# Altium PCB MAIN_BOARD_V2.PcbDoc (part 1 of 4) (continued)
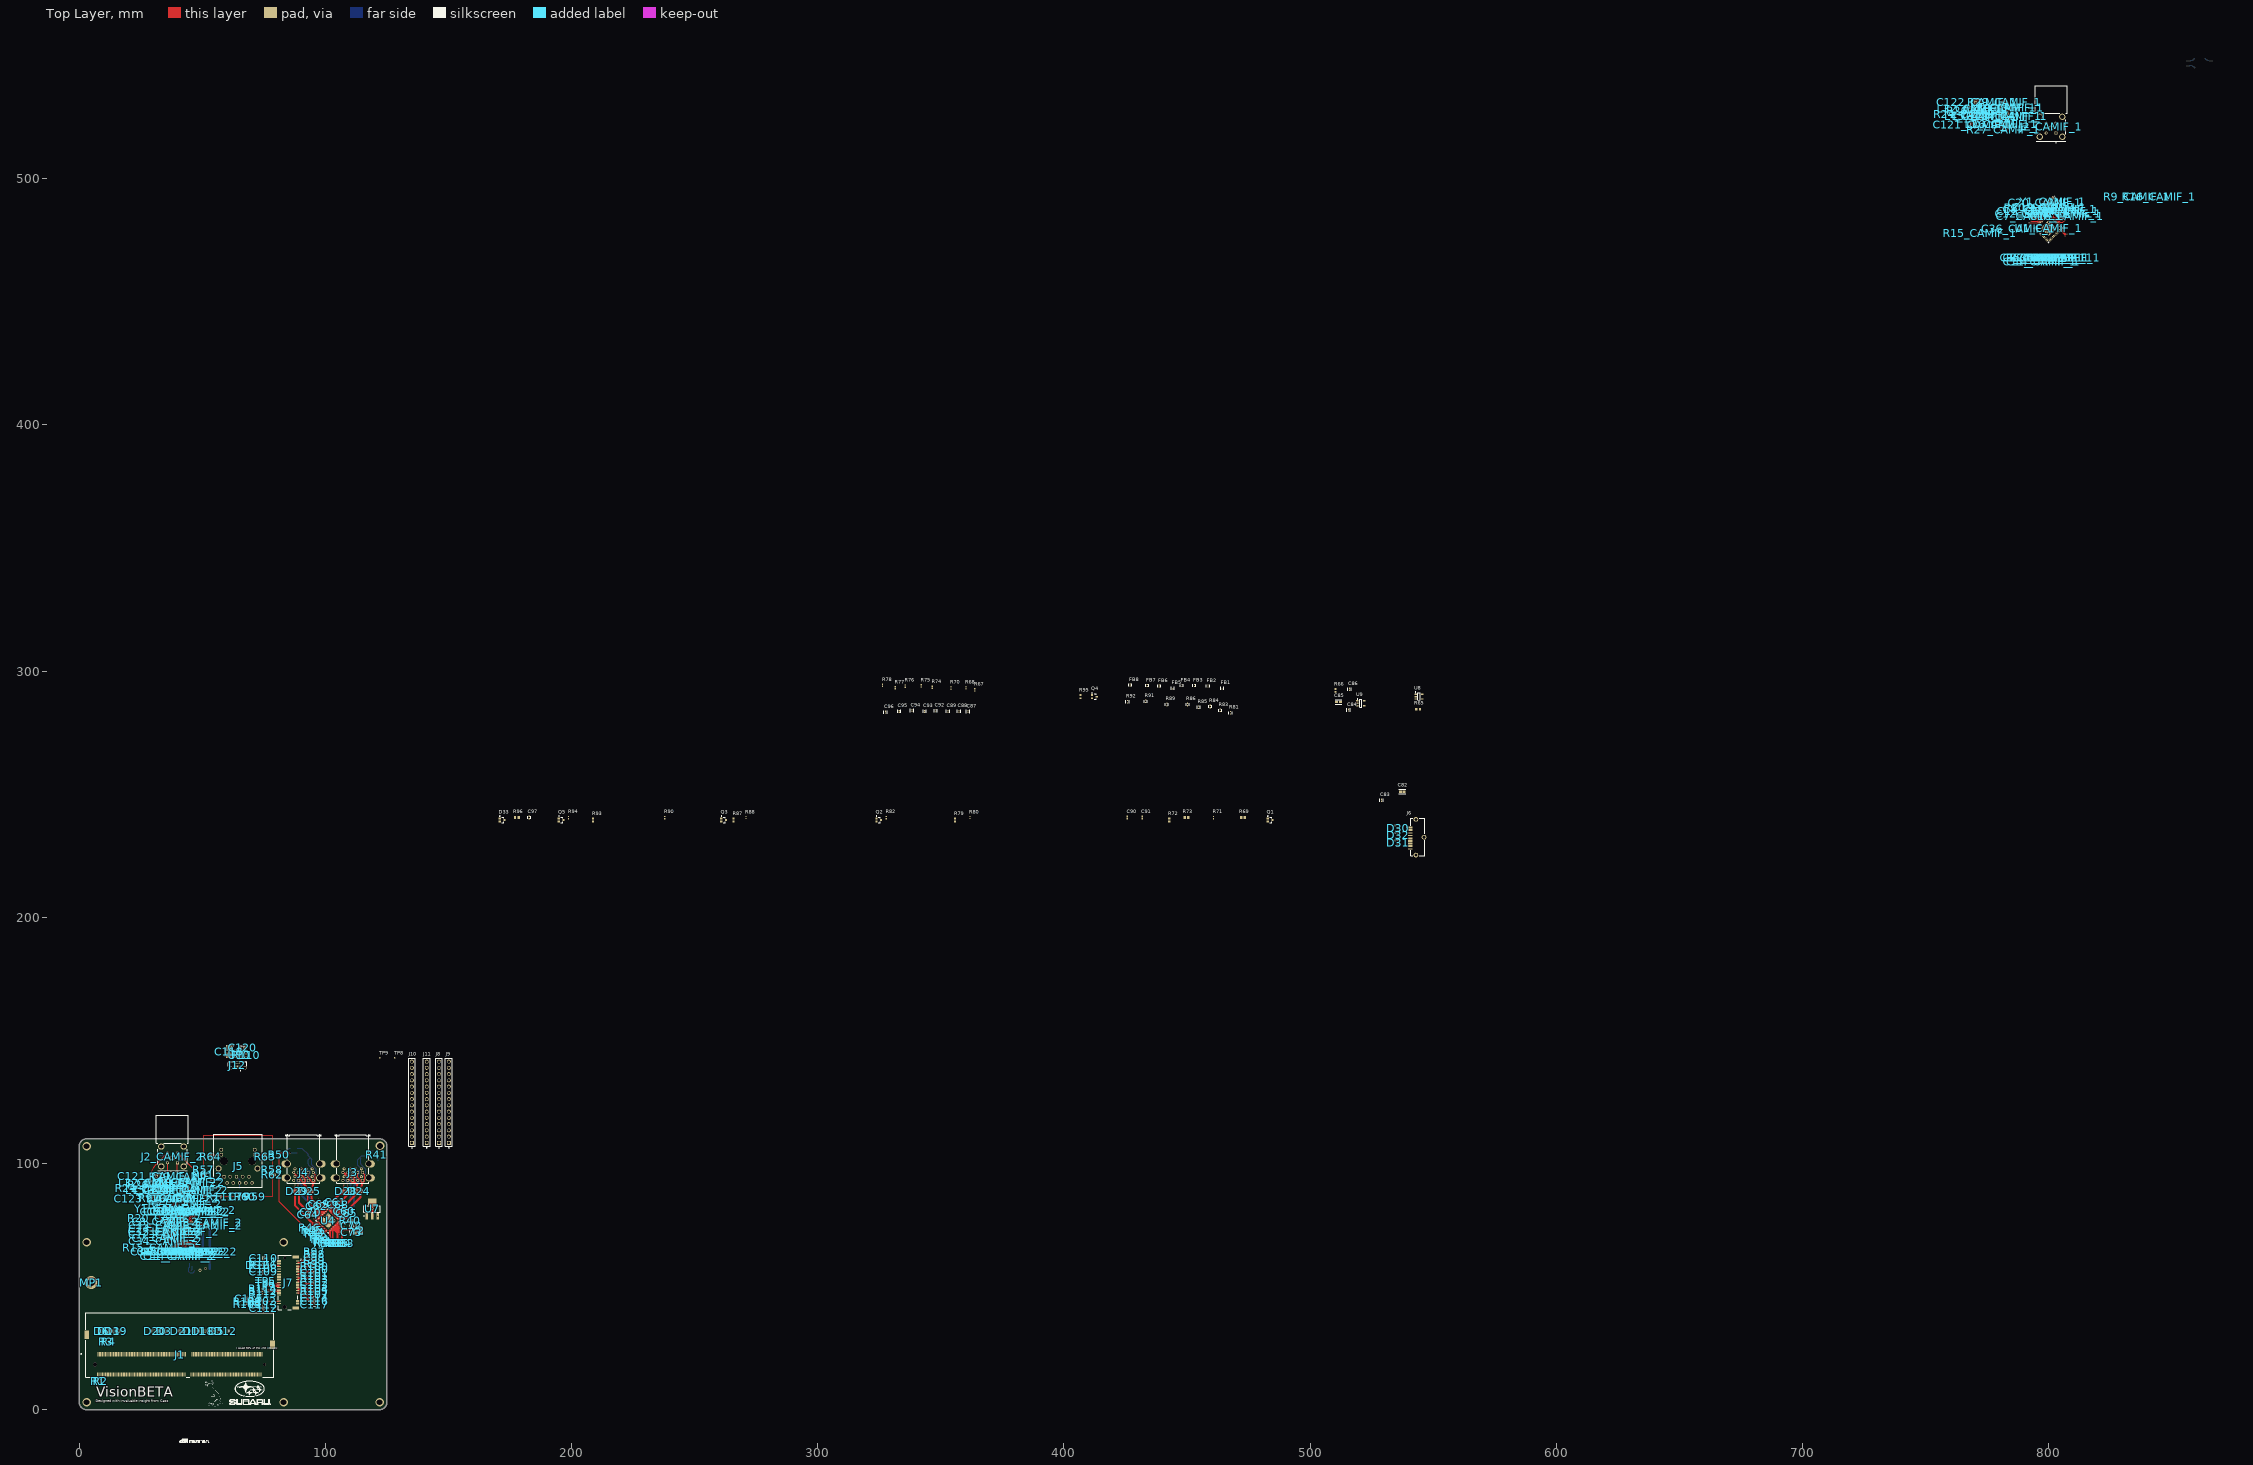
[diagram p0: Top Layer view]
## Components (designator, comment, footprint, x,y, rotation, side; value= is the part's Value field where it differs from the comment) (continued)
C28_CAMIF_1 "C1005X7R1H104K050BB" FP-C1005-050-0_05-IPC_C 807.8,477.8 r225 bottom (schematic designator C28)
C28_CAMIF_2 "C1005X7R1H104K050BB" FP-C1005-050-0_05-IPC_C 51.425,75.95 r180 top (schematic designator C28)
C29_CAMIF_1 "CL05A106MP5NUNC" FP-CL05A106MP5NUNC-MFG 804.875,483.35 r315 bottom value=10uF (schematic designator C29)
C29_CAMIF_2 "CL05A106MP5NUNC" FP-CL05A106MP5NUNC-MFG 43.875,80.5 r90 bottom value=10uF (schematic designator C29)
C30_CAMIF_1 "C0402C103M5RACTU" FP-C0402-BB-MFG 805.75,484.25 r135 bottom value="10,000 pF" (schematic designator C30)
C30_CAMIF_2 "C0402C103M5RACTU" FP-C0402-BB-MFG 43.875,80.5 r270 top value="10,000 pF" (schematic designator C30)
C31_CAMIF_1 "CL05A106MP5NUNC" FP-CL05A106MP5NUNC-MFG 795.275,483.5 r225 bottom value=10uF (schematic designator C31)
C31_CAMIF_2 "CL05A106MP5NUNC" FP-CL05A106MP5NUNC-MFG 34.962,72.275 r180 bottom value=10uF (schematic designator C31)
C32_CAMIF_1 "C0402C103M5RACTU" FP-C0402-BB-MFG 794.375,484.375 r45 bottom value="10,000 pF" (schematic designator C32)
C32_CAMIF_2 "C0402C103M5RACTU" FP-C0402-BB-MFG 35.025,72.275 r0 top value="10,000 pF" (schematic designator C32)
C33_CAMIF_1 "CL05A106MP5NUNC" FP-CL05A106MP5NUNC-MFG 794.025,482.25 r45 bottom value=10uF (schematic designator C33)
C33_CAMIF_2 "CL05A106MP5NUNC" FP-CL05A106MP5NUNC-MFG 34.987,68.325 r180 bottom value=10uF (schematic designator C33)
C34_CAMIF_1 "C0402C103M5RACTU" FP-C0402-BB-MFG 793.1,483.1 r225 bottom value="10,000 pF" (schematic designator C34)
C34_CAMIF_2 "C0402C103M5RACTU" FP-C0402-BB-MFG 35.05,68.325 r0 top value="10,000 pF" (schematic designator C34)
C35_CAMIF_1 "CL05A106MP5NUNC" FP-CL05A106MP5NUNC-MFG 787.8,479.562 r270 bottom value=10uF (schematic designator C35)
C35_CAMIF_2 "CL05A106MP5NUNC" FP-CL05A106MP5NUNC-MFG 35.875,64.012 r270 bottom value=10uF (schematic designator C35)
C36_CAMIF_1 "C0402C103M5RACTU" FP-C0402-BB-MFG 787.8,479.625 r90 top value="10,000 pF" (schematic designator C36)
C36_CAMIF_2 "C0402C103M5RACTU" FP-C0402-BB-MFG 35.875,64.075 r90 top value="10,000 pF" (schematic designator C36)
C37_CAMIF_2 "GRM21BR61E226ME44L" FP-GRM21B-0_2-e0_2_0_7-IPC_B 49.051,55.797 r270 bottom (schematic designator C37)
C38_CAMIF_2 "GRM21BR61E226ME44L" FP-GRM21B-0_2-e0_2_0_7-IPC_B 52.101,57.322 r180 bottom (schematic designator C38)
C39_CAMIF_2 "GRM21BR61E226ME44L" FP-GRM21B-0_2-e0_2_0_7-IPC_B 52.101,62.572 r180 bottom (schematic designator C39)
C40_CAMIF_1 "GRM188R60J106ME47D" FP-GRM188-0_1-e0_2_0_55-IPC_A 826.198,529.599 r180 bottom (schematic designator C40)
C40_CAMIF_2 "GRM188R60J106ME47D" FP-GRM188-0_1-e0_2_0_55-IPC_A 49.265,91.95 r180 bottom (schematic designator C40)
C41_CAMIF_1 "GRM188R60J106ME47D" FP-GRM188-0_1-e0_2_0_55-IPC_A 826.15,547.375 r90 bottom (schematic designator C41)
C41_CAMIF_2 "GRM188R60J106ME47D" FP-GRM188-0_1-e0_2_0_55-IPC_A 49.4,75.95 r90 bottom (schematic designator C41)
C42_CAMIF_1 "C1005X7R1H104K050BB" FP-C1005-050-0_05-IPC_C 829.3,529.324 r270 bottom (schematic designator C42)
C42_CAMIF_2 "C1005X7R1H104K050BB" FP-C1005-050-0_05-IPC_C 52.367,91.675 r270 bottom (schematic designator C42)
C43_CAMIF_1 "C1005X7R1H104K050BB" FP-C1005-050-0_05-IPC_C 829.075,548.7 r0 bottom (schematic designator C43)
C43_CAMIF_2 "C1005X7R1H104K050BB" FP-C1005-050-0_05-IPC_C 52.325,77.275 r0 bottom (schematic designator C43)
C44 "C1005X7R1H104K050BB" FP-C1005-050-0_05-IPC_C 106.091,80.091 r45 bottom
C45 "C1005X7R1H104K050BB" FP-C1005-050-0_05-IPC_C 102.883,82.916 r45 bottom
C46 "C1005X7R1H104K050BB" FP-C1005-050-0_05-IPC_C 101.2,83.872 r90 bottom
C47 "C1005X7R1H104K050BB" FP-C1005-050-0_05-IPC_C 97.359,81.116 r135 bottom
C48 "C1005X7R1H104K050BB" FP-C1005-050-0_05-IPC_C 95.584,77.266 r135 bottom
C49 "T520B337M2R5ATE045" KEMT-520-B-2_M 112.475,102.3 r180 bottom
C50 "C1005X7R1H104K050BB" FP-C1005-050-0_05-IPC_C 94.1,73.266 r225 bottom
C51 "C1005X7R1H104K050BB" FP-C1005-050-0_05-IPC_C 100.425,69.25 r270 bottom
C52 "C1005X7R1H104K050BB" FP-C1005-050-0_05-IPC_C 114.825,99.8 r180 bottom
C53 "C1005X7R1H104K050BB" FP-C1005-050-0_05-IPC_C 112.75,99.8 r0 bottom
C54 "C1005X7R1H104K050BB" FP-C1005-050-0_05-IPC_C 105.591,71.534 r315 bottom
C55 "C1005X7R1H104K050BB" FP-C1005-050-0_05-IPC_C 99.85,83.872 r90 bottom
C56 "C1005X7R1H104K050BB" FP-C1005-050-0_05-IPC_C 93.051,74.325 r225 bottom
C57 "C1005X7R1H104K050BB" FP-C1005-050-0_05-IPC_C 101.775,69.25 r270 bottom
C58 "C1005X7R1H104K050BB" FP-C1005-050-0_05-IPC_C 107.305,74.584 r315 bottom
C59 "GRM188R60J106ME47D" FP-GRM188-0_1-e0_2_0_55-IPC_A 121.425,100.275 r270 bottom
C60 "C1005X7R1H104K050BB" FP-C1005-050-0_05-IPC_C 107.684,80.647 r45 top
C61 "C1005X7R1H104K050BB" FP-C1005-050-0_05-IPC_C 104.172,84.159 r45 top
C62 "C1005X7R1H104K050BB" FP-C1005-050-0_05-IPC_C 96.444,82.569 r135 top
C63 "T520B337M2R5ATE045" KEMT-520-B-2_M 92.45,102.3 r180 bottom
C64 "C1005X7R1H104K050BB" FP-C1005-050-0_05-IPC_C 93.103,79.234 r135 top
C65 "C1005X7R1H104K050BB" FP-C1005-050-0_05-IPC_C 108.634,79.697 r45 top
C66 "C1005X7R1H104K050BB" FP-C1005-050-0_05-IPC_C 94.8,99.8 r180 bottom
C67 "C1005X7R1H104K050BB" FP-C1005-050-0_05-IPC_C 92.75,99.8 r0 bottom
C68 "C1005X7R1H104K050BB" FP-C1005-050-0_05-IPC_C 105.122,83.209 r45 top
C69 "C1005X7R1H104K050BB" FP-C1005-050-0_05-IPC_C 97.394,83.519 r135 top
C70 "C1005X7R1H104K050BB" FP-C1005-050-0_05-IPC_C 94.053,80.184 r135 top
C71 "GRM188R60J106ME47D" FP-GRM188-0_1-e0_2_0_55-IPC_A 82.65,105.5 r90 bottom
C72 "C0603C300J5GACTU" FP-C0603C-CF-MFG 110.642,74.625 r90 top value="30 pF"
C73 "C0603C300J5GACTU" FP-C0603C-CF-MFG 110.642,72.025 r270 top value="30 pF"
C77 "GRM188R60J106ME47D" FP-GRM188-0_1-e0_2_0_55-IPC_A 119,80.748 r270 bottom
C78 "C1005X7R1H104K050BB" FP-C1005-050-0_05-IPC_C 121.3,79.192 r270 bottom
C79 "C1005X7R1H104K050BB" FP-C1005-050-0_05-IPC_C 65.135,86.5 r270 top
C80 "C1005X7R1H104K050BB" FP-C1005-050-0_05-IPC_C 65.15,89.625 r90 bottom
C81 "C1005X7R1H104K050BB" FP-C1005-050-0_05-IPC_C 75.6,101.467 r90 bottom
C82 "GRM188R60J106ME47D" FP-GRM188-0_1-e0_2_0_55-IPC_A 537.445,251.05 r0 top
C83 "C1005X7R1H104K050BB" FP-C1005-050-0_05-IPC_C 529.02,247.525 r90 top
C84 "C1005X7R1H104K050BB" FP-C1005-050-0_05-IPC_C 515.57,284.183 r90 top
C85 "GRM188R60J106ME47D" FP-GRM188-0_1-e0_2_0_55-IPC_A 511.545,287.525 r0 top
C86 "C1005X7R1H104K050BB" FP-C1005-050-0_05-IPC_C 515.97,292.617 r90 top
C87 "C1005X7R1H104K050BB" FP-C1005-050-0_05-IPC_C 361.045,283.625 r90 top
C88 "C1005X7R1H104K050BB" FP-C1005-050-0_05-IPC_C 357.32,283.658 r90 top
C89 "C1005X7R1H104K050BB" FP-C1005-050-0_05-IPC_C 352.97,283.667 r90 top
C90 "C0402C221K5RAC7867" CAPC1005X60X30NL05T10 425.775,240.525 r90 top
C91 "C0402C221K5RAC7867" CAPC1005X60X30NL05T10 431.775,240.525 r90 top
C92 "C1005X7R1H104K050BB" FP-C1005-050-0_05-IPC_C 347.97,283.908 r90 top
C93 "C1005X7R1H104K050BB" FP-C1005-050-0_05-IPC_C 343.445,283.658 r90 top
C94 "C1005X7R1H104K050BB" FP-C1005-050-0_05-IPC_C 338.27,284.025 r90 top
C95 "C1005X7R1H104K050BB" FP-C1005-050-0_05-IPC_C 333.12,283.658 r90 top
C96 "C1005X7R1H104K050BB" FP-C1005-050-0_05-IPC_C 327.57,283.367 r90 top
C97 "GRM1555C1H120GA01D" FP-GRM155-0_05-MFG 182.775,240.525 r90 top
C98 "C1005X7R1A224K050BB" FP-C1005-050-0_05-IPC_C 95.65,61.825 r0 top
C99 "C1005X7R1A224K050BB" FP-C1005-050-0_05-IPC_C 95.65,60.475 r0 top
C100 "C1005X7R1A224K050BB" FP-C1005-050-0_05-IPC_C 95.65,56.8 r0 top
C101 "C1005X7R1A224K050BB" FP-C1005-050-0_05-IPC_C 95.65,55.45 r0 top
C102 "C1005X7R1A224K050BB" FP-C1005-050-0_05-IPC_C 95.65,51.8 r0 top
C103 "C1005X7R1A224K050BB" FP-C1005-050-0_05-IPC_C 95.65,50.45 r0 top
C104 "GRM188R60J106ME47D" FP-GRM188-0_1-e0_2_0_55-IPC_A 76.072,60.125 r0 bottom
C105 "GRM188R60J106ME47D" FP-GRM188-0_1-e0_2_0_55-IPC_A 76.065,57.264 r0 bottom
C106 "GRM188R60J106ME47D" FP-GRM188-0_1-e0_2_0_55-IPC_A 76.043,42.55 r0 bottom
C107 "C1005X7R1A224K050BB" FP-C1005-050-0_05-IPC_C 95.65,46.75 r0 top
C108 "C1005X7R1H104K050BB" FP-C1005-050-0_05-IPC_C 74.897,57.264 r0 top
C109 "C1005X7R1H104K050BB" FP-C1005-050-0_05-IPC_C 74.888,55.914 r0 top
C110 "C1005X7R1H104K050BB" FP-C1005-050-0_05-IPC_C 74.9,61.475 r0 top
C111 "C1005X7R1H104K050BB" FP-C1005-050-0_05-IPC_C 74.903,60.125 r0 top
C112 "C1005X7R1H104K050BB" FP-C1005-050-0_05-IPC_C 74.875,41.2 r0 top
C113 "C1005X7R1H104K050BB" FP-C1005-050-0_05-IPC_C 74.875,42.55 r0 top
C114 "C1005X7R1A224K050BB" FP-C1005-050-0_05-IPC_C 95.65,45.4 r0 top
C115 "C1005X7R1H104K050BB" FP-C1005-050-0_05-IPC_C 68.962,45.137 r270 top
C116 "C1005X7R1A224K050BB" FP-C1005-050-0_05-IPC_C 95.65,44.05 r0 top
C117 "C1005X7R1A224K050BB" FP-C1005-050-0_05-IPC_C 95.65,42.7 r0 top
C118 "T520B337M2R5ATE045" KEMT-520-B-2_M 60.85,145.4 r270 top
C119 "C1005X7R1H104K050BB" FP-C1005-050-0_05-IPC_C 64.025,145.023 r180 bottom
C120 "GRM188R60J106ME47D" FP-GRM188-0_1-e0_2_0_55-IPC_A 66.398,147 r180 top
C121_CAMIF_1 "GRM21BR61E226ME44L" FP-GRM21B-0_2-e0_2_0_7-IPC_B 769.575,522.05 r270 top (schematic designator C121)
C121_CAMIF_2 "GRM21BR61E226ME44L" FP-GRM21B-0_2-e0_2_0_7-IPC_B 32.175,94.775 r180 top (schematic designator C121)
C122_CAMIF_1 "GRM21BR61E226ME44L" FP-GRM21B-0_2-e0_2_0_7-IPC_B 771.025,531.1 r180 top (schematic designator C122)
C122_CAMIF_2 "GRM21BR61E226ME44L" FP-GRM21B-0_2-e0_2_0_7-IPC_B 44.35,89.1 r90 top (schematic designator C122)
C123_CAMIF_1 "GRM21BR61E226ME44L" FP-GRM21B-0_2-e0_2_0_7-IPC_B 780.95,525.425 r270 top (schematic designator C123)
C123_CAMIF_2 "GRM21BR61E226ME44L" FP-GRM21B-0_2-e0_2_0_7-IPC_B 30.725,85.725 r270 top (schematic designator C123)
C124_CAMIF_1 "GRM21BR61E226ME44L" FP-GRM21B-0_2-e0_2_0_7-IPC_B 783.2,525.425 r90 top (schematic designator C124)
C124_CAMIF_2 "GRM21BR61E226ME44L" FP-GRM21B-0_2-e0_2_0_7-IPC_B 42.1,89.1 r270 top (schematic designator C124)
C125 "C1005X7R1H104K050BB" FP-C1005-050-0_05-IPC_C 53.4,101.467 r90 bottom
D1 "ESD204DQAR or PUSB3AB4Z" FP-DQA0010A-MFG 30.575,17.918 r270 bottom value=0.55pF
D2 "ESD204DQAR or PUSB3AB4Z" FP-DQA0010A-MFG 54.75,17.918 r270 bottom value=0.55pF
D3 "ESD204DQAR or PUSB3AB4Z" FP-DQA0010A-MFG 34.5,31.925 r90 top value=0.55pF
D4 "ESD204DQAR or PUSB3AB4Z" FP-DQA0010A-MFG 58,17.918 r270 bottom value=0.55pF
D5 "ESD204DQAR or PUSB3AB4Z" FP-DQA0010A-MFG 55.9,31.932 r90 top value=0.55pF
D6 "ESD204DQAR" FP-DQA0010A-MFG 9.225,31.925 r90 top value=0.55pF
D7 "ESD204DQAR" FP-DQA0010A-MFG 10.025,17.918 r270 bottom value=0.55pF
D8 "ESD204DQAR" FP-DQA0010A-MFG 23.45,17.918 r270 bottom value=0.55pF
D9 "ESD204DQAR or PUSB3AB4Z" FP-DQA0010A-MFG 35.25,17.918 r270 bottom value=0.55pF
D10 "ESD204DQAR or PUSB3AB4Z" FP-DQA0010A-MFG 40.75,17.918 r270 bottom value=0.55pF
D11 "ESD204DQAR or PUSB3AB4Z" FP-DQA0010A-MFG 46.925,31.932 r90 top value=0.55pF
D12 "ESD204DQAR or PUSB3AB4Z" FP-DQA0010A-MFG 59.45,31.932 r90 top value=0.55pF
D13 "ESD204DQAR" FP-DQA0010A-MFG 12.175,31.925 r90 top value=0.55pF
D14 "ESD204DQAR" FP-DQA0010A-MFG 13.5,17.918 r270 bottom value=0.55pF
D15 "ESD204DQAR" FP-DQA0010A-MFG 27.05,17.918 r270 bottom value=0.55pF
D16 "ESD204DQAR or PUSB3AB4Z" FP-DQA0010A-MFG 50.3,17.918 r270 bottom value=0.55pF
D17 "ESD204DQAR or PUSB3AB4Z" FP-DQA0010A-MFG 46.7,17.918 r270 bottom value=0.55pF
D18 "ESD204DQAR or PUSB3AB4Z" FP-DQA0010A-MFG 50.425,31.925 r90 top value=0.55pF
D19 "ESD204DQAR" FP-DQA0010A-MFG 15.125,31.925 r90 top value=0.55pF
D20 "ESD204DQAR" FP-DQA0010A-MFG 30.85,31.932 r90 top value=0.55pF
D21 "ESD204DQAR or PUSB3AB4Z" FP-DQA0010A-MFG 41.675,31.925 r90 top value=0.55pF
D22_CAMIF_1 "ESD204DQAR" FP-DQA0010A-MFG 856.715,547 r180 bottom value=0.55pF (schematic designator D22)
D22_CAMIF_2 "ESD204DQAR" FP-DQA0010A-MFG 32.97,102.27 r180 bottom value=0.55pF (schematic designator D22)
D23_CAMIF_1 "ESD204DQAR" FP-DQA0010A-MFG 865.99,547.025 r0 bottom value=0.55pF (schematic designator D23)
D23_CAMIF_2 "ESD204DQAR" FP-DQA0010A-MFG 42.72,102.27 r0 bottom value=0.55pF (schematic designator D23)
D24 "ESD204DQAR or PUSB3AB4Z" FP-DQA0010A-MFG 113.675,88.75 r90 top value=0.55pF
D25 "ESD204DQAR or PUSB3AB4Z" FP-DQA0010A-MFG 93.675,88.75 r90 top value=0.55pF
D26 "ESD204DQAR or PUSB3AB4Z" FP-DQA0010A-MFG 110.95,88.75 r90 bottom value=0.55pF
D27 "ESD204DQAR or PUSB3AB4Z" FP-DQA0010A-MFG 91.1,88.75 r90 bottom value=0.55pF
D28 "ESD204DQAR or PUSB3AB4Z" FP-DQA0010A-MFG 108.525,88.75 r90 top value=0.55pF
D29 "ESD204DQAR or PUSB3AB4Z" FP-DQA0010A-MFG 88.525,88.75 r90 top value=0.55pF
D30 "ESD204DQAR or PUSB3AB4Z" FP-DQA0010A-MFG 535.77,236.235 r0 top value=0.55pF
D31 "ESD204DQAR or PUSB3AB4Z" FP-DQA0010A-MFG 535.763,230.235 r0 top value=0.55pF
D32 "ESD204DQAR or PUSB3AB4Z" FP-DQA0010A-MFG 535.763,233.235 r0 top value=0.55pF
D33 "BAT54CWT1G" ONSC-SOT-323-3-419-04_V 171.775,239.525 r0 top
DS1 "TLMS1100-GS08" VISH-TLMX1100_V 72.375,58.625 r180 top
FB1 "BLM15PX601SN1D" FP-BLM15-0_05-MFG 464.245,293.05 r90 top
FB2 "BLM15PX601SN1D" FP-BLM15-0_05-MFG 458.525,294.025 r90 top
FB3 "BLM15PX601SN1D" FP-BLM15-0_05-MFG 453.025,294.175 r90 top
FB4 "BLM15PX601SN1D" FP-BLM15-0_05-MFG 447.945,294.175 r90 top
FB5 "BLM15PX601SN1D" FP-BLM15-0_05-MFG 444.22,293.05 r90 top
FB6 "BLM15PX601SN1D" FP-BLM15-0_05-MFG 438.745,294 r90 top
FB7 "BLM15PX601SN1D" FP-BLM15-0_05-MFG 433.895,294.1 r90 top
FB8 "BLM15PX601SN1D" FP-BLM15-0_05-MFG 426.97,294.35 r90 top
IC1_CAMIF_2 "ISL8023IRTAJZ" TQFN50P300X300X80_HS-17N 1316.251,1329.697 r90 bottom (schematic designator IC1)
J1 "2309413-1" FP-2309413-1-MFG 40.8,26.35 r180 top locked
J2_CAMIF_1 "FM4-NZRP-PCB-1" FM4-NZRP-PCB-1-Footprint-1 801,520.575 r90 top (schematic designator J2)
J2_CAMIF_2 "FM4-NZRP-PCB-1" FM4-NZRP-PCB-1-Footprint-1 37.875,102.275 r90 top (schematic designator J2)
J3 "692141030100" 692141030100 111.1,101.75 r180 top
J4 "692141030100" 692141030100 91.1,101.75 r180 top
J5 "ARJM11C7-502-AB-ER2-T" FP-ARJM11C7-502-AB-ER2-T-MFG 64.5,101.133 r180 top
J6 "47659-1102" FP-47659-1102-MFG 543.775,232.525 r90 top
J7 "1-2199230-6" FP-1-2199230-6-MFG 84.825,51.625 r270 top
J8 "22-28-4146" FP-22-28-4146-MFG 146.142,124.875 r90 top
J9 "22-28-4146" FP-22-28-4146-MFG 150.142,124.875 r90 top
J10 "22-28-4146" FP-22-28-4146-MFG 135.142,124.875 r90 top
J11 "22-28-4146" FP-22-28-4146-MFG 141.142,124.875 r90 top
J12 "105133-0001" MOLX-105133-0001_V 64.275,139.85 r180 top
L1_CAMIF_2 "1239AS-H-1R0M=P2" FP-DFE252012C-IPC_C 52.001,59.947 r0 bottom (schematic designator L1)
L2_CAMIF_1 "ADL32VHC-220M" FP-1210POC-MFG 771.025,528.5 r180 top value=22uH (schematic designator L2)
L2_CAMIF_2 "ADL32VHC-220M" FP-1210POC-MFG 32.175,92.175 r180 top value=22uH (schematic designator L2)
L3_CAMIF_1 "PFL1609-561MEW" FP-PFL1609-MFG 768,528.5 r180 top value=0.56uH (schematic designator L3)
L3_CAMIF_2 "PFL1609-561MEW" FP-PFL1609-MFG 29.15,92.175 r180 top value=0.56uH (schematic designator L3)
L4_CAMIF_1 "ADL32VHC-220M" FP-1210POC-MFG 771.025,525.4 r0 top value=22uH (schematic designator L4)
L4_CAMIF_2 "ADL32VHC-220M" FP-1210POC-MFG 32.175,89.075 r0 top value=22uH (schematic designator L4)
L5_CAMIF_1 "PFL1609-561MEW" FP-PFL1609-MFG 774.05,525.4 r0 top value=0.56uH (schematic designator L5)
L5_CAMIF_2 "PFL1609-561MEW" FP-PFL1609-MFG 35.2,89.075 r0 top value=0.56uH (schematic designator L5)
L6_CAMIF_1 "ADL32VHC-220M" FP-1210POC-MFG 782.4,522.075 r180 top value=22uH (schematic designator L6)
L6_CAMIF_2 "ADL32VHC-220M" FP-1210POC-MFG 43.55,85.75 r180 top value=22uH (schematic designator L6)
L7_CAMIF_1 "PFL1609-561MEW" FP-PFL1609-MFG 779.375,522.075 r180 top value=0.56uH (schematic designator L7)
L7_CAMIF_2 "PFL1609-561MEW" FP-PFL1609-MFG 40.525,85.75 r180 top value=0.56uH (schematic designator L7)
L8_CAMIF_1 "ADL32VHC-220M" FP-1210POC-MFG 781.725,528.783 r0 top value=22uH (schematic designator L8)
L8_CAMIF_2 "ADL32VHC-220M" FP-1210POC-MFG 42.875,92.458 r0 top value=22uH (schematic designator L8)
L9_CAMIF_1 "PFL1609-561MEW" FP-PFL1609-MFG 784.75,528.783 r0 top value=0.56uH (schematic designator L9)
L9_CAMIF_2 "PFL1609-561MEW" FP-PFL1609-MFG 45.9,92.458 r0 top value=0.56uH (schematic designator L9)
MP1 "9774025243R" 9774025243 4.825,51.625 r180 top
Q1 "BSS138W-7-F" DIOD-SOT323-3_V 483.775,239.525 r0 top
Q2 "BSS138W-7-F" DIOD-SOT323-3_V 324.775,239.525 r0 top
Q3 "BSS138W-7-F" DIOD-SOT323-3_V 261.775,239.525 r0 top
Q4 "BSS138W-7-F" DIOD-SOT323-3_V 412.37,289.625 r0 top
Q5 "BSS138W-7-F" DIOD-SOT323-3_V 195.775,239.525 r0 top
R1 "0402 JUMPER 0 OHM" RESC1005X40X25NL05T05 7.725,11.625 r270 top
R2 "0402 JUMPER 0 OHM" RESC1005X40X25NL05T05 8.675,11.625 r270 top
R3 "0402 JUMPER 0 OHM" RESC1005X40X25NL05T05 10.95,27.525 r90 top
R4 "0402 JUMPER 0 OHM" RESC1005X40X25NL05T05 11.9,27.525 r90 top
R5_CAMIF_1 "0402 JUMPER 0 OHM" RESC1005X40X25NL05T05 796.625,468 r270 top (schematic designator R5)
R5_CAMIF_2 "0402 JUMPER 0 OHM" RESC1005X40X25NL05T05 39.875,64.125 r270 top (schematic designator R5)
R6_CAMIF_1 "0402 JUMPER 0 OHM" RESC1005X40X25NL05T05 796.633,468 r270 bottom (schematic designator R6)
R6_CAMIF_2 "0402 JUMPER 0 OHM" RESC1005X40X25NL05T05 39.883,64.125 r270 bottom (schematic designator R6)
R7_CAMIF_1 "0402 JUMPER 0 OHM" RESC1005X40X25NL05T05 797.975,468 r270 top (schematic designator R7)
R7_CAMIF_2 "0402 JUMPER 0 OHM" RESC1005X40X25NL05T05 41.225,64.125 r270 top (schematic designator R7)
R8_CAMIF_1 "0402 JUMPER 0 OHM" RESC1005X40X25NL05T05 797.983,468 r270 bottom (schematic designator R8)
R8_CAMIF_2 "0402 JUMPER 0 OHM" RESC1005X40X25NL05T05 41.233,64.125 r270 bottom (schematic designator R8)
R9_CAMIF_1 "ERJ3EKF1002V" RESC1609X55X30LL15T15 835.975,492.675 r90 top (schematic designator R9)
R9_CAMIF_2 "ERJ3EKF1002V" RESC1609X55X30LL15T15 37.75,85.925 r90 top (schematic designator R9)
R10_CAMIF_1 "ERJ-3EKF49R9V" RESC1608X55X30ML15T15 792.332,486.384 r315 bottom (schematic designator R10)
R10_CAMIF_2 "ERJ-3EKF49R9V" RESC1608X55X30ML15T15 35.3,70.975 r180 bottom (schematic designator R10)
R11_CAMIF_1 "ERJ-3EKF49R9V" RESC1608X55X30ML15T15 793.618,487.67 r315 bottom (schematic designator R11)
R11_CAMIF_2 "ERJ-3EKF49R9V" RESC1608X55X30ML15T15 35.325,74.925 r180 bottom (schematic designator R11)
R12_CAMIF_1 "ERJ-3EKF8062V" RESC1608X55X30LL15T15 772.85,477.3 r270 bottom (schematic designator R12)
R12_CAMIF_2 "ERJ-3EKF8062V" RESC1608X55X30LL15T15 33.325,65.225 r270 bottom (schematic designator R12)
R13_CAMIF_1 "ERJ-3EKF8062V" RESC1608X55X30LL15T15 845.6,492.125 r0 bottom (schematic designator R13)
R13_CAMIF_2 "ERJ-3EKF8062V" RESC1608X55X30LL15T15 49.45,80.3 r0 bottom (schematic designator R13)
R14_CAMIF_1 "0402 JUMPER 0 OHM" RESC1005X40X25NL05T05 835.525,492.025 r180 bottom (schematic designator R14)
R14_CAMIF_2 "0402 JUMPER 0 OHM" RESC1005X40X25NL05T05 37.3,85.275 r180 bottom (schematic designator R14)
R15_CAMIF_1 "ERJ-3EKF2052V" RESC1608X55X30NL15T15 772.175,477.925 r0 top (schematic designator R15)
R15_CAMIF_2 "ERJ-3EKF2052V" RESC1608X55X30NL15T15 32.65,65.85 r0 top (schematic designator R15)
R16_CAMIF_1 "ERJ-3EKF2052V" RESC1608X55X30NL15T15 844.975,492.8 r270 top (schematic designator R16)
R16_CAMIF_2 "ERJ-3EKF2052V" RESC1608X55X30NL15T15 48.825,80.975 r270 top (schematic designator R16)
R17_CAMIF_1 "ERJ3EKF1002V" RESC1609X55X30LL15T15 771.35,482.775 r90 bottom (schematic designator R17)
R17_CAMIF_2 "ERJ3EKF1002V" RESC1609X55X30LL15T15 38.125,69.15 r90 bottom (schematic designator R17)
R18_CAMIF_1 "ERJ-3EKF49R9V" RESC1608X55X30ML15T15 806.363,487.663 r225 bottom (schematic designator R18)
R18_CAMIF_2 "ERJ-3EKF49R9V" RESC1608X55X30ML15T15 41.218,80.2 r90 bottom (schematic designator R18)
R19_CAMIF_1 "ERJ-3EKF49R9V" RESC1608X55X30ML15T15 807.663,486.363 r225 bottom (schematic designator R19)
R19_CAMIF_2 "ERJ-3EKF49R9V" RESC1608X55X30ML15T15 45.168,81.517 r270 bottom (schematic designator R19)
R20_CAMIF_1 "ERJ-3EKF4020V" RESC1608X55X30LL15T15 797,488.175 r270 top (schematic designator R20)
R20_CAMIF_2 "ERJ-3EKF4020V" RESC1608X55X30LL15T15 34.8,77.7 r0 top (schematic designator R20)
R21_CAMIF_1 "ERJ3EKF1002V" RESC1609X55X30LL15T15 772.551,482.775 r90 bottom (schematic designator R21)
R21_CAMIF_2 "ERJ3EKF1002V" RESC1609X55X30LL15T15 39.326,69.15 r90 bottom (schematic designator R21)
R22_CAMIF_2 "ERJ3EKF2403V" RESC1608X55X30NL15T15 45.526,62.947 r180 bottom (schematic designator R22)
R23_CAMIF_2 "ERJ-3EKF1003V" RESC1608X55X30ML15T15 46.251,56.572 r0 bottom (schematic designator R23)
R24_CAMIF_1 "ERJ-3EKF5101V" FP-ERJ3EK-MFG 768.475,526.175 r90 top (schematic designator R24)
R24_CAMIF_2 "ERJ-3EKF5101V" FP-ERJ3EK-MFG 29.625,89.85 r90 top (schematic designator R24)
R25_CAMIF_2 "ERJ-3EKF1003V" RESC1608X55X30ML15T15 48.151,62.947 r180 bottom (schematic designator R25)
R26_CAMIF_1 "ERJ-3EKF5101V" FP-ERJ3EK-MFG 773.575,527.725 r270 top (schematic designator R26)
R26_CAMIF_2 "ERJ-3EKF5101V" FP-ERJ3EK-MFG 34.725,91.4 r270 top (schematic designator R26)
R27_CAMIF_1 "ERJ-3EKF5101V" FP-ERJ3EK-MFG 781.85,519.85 r180 top (schematic designator R27)
R27_CAMIF_2 "ERJ-3EKF5101V" FP-ERJ3EK-MFG 43,83.525 r180 top (schematic designator R27)
R28_CAMIF_1 "ERJ-3EKF1200V" RESC1609X55X30ML15T15 824,547.375 r270 bottom (schematic designator R28)
R28_CAMIF_2 "ERJ-3EKF1200V" RESC1609X55X30ML15T15 47.25,75.95 r270 bottom (schematic designator R28)
R29_CAMIF_1 "ERJ-3EKF5101V" FP-ERJ3EK-MFG 782.27,531.008 r0 top (schematic designator R29)
R29_CAMIF_2 "ERJ-3EKF5101V" FP-ERJ3EK-MFG 43.42,94.683 r0 top (schematic designator R29)
R30 "0402 JUMPER 0 OHM" RESC1005X40X25NL05T05 103.55,67.55 r90 top
R31 "0402 JUMPER 0 OHM" RESC1005X40X25NL05T05 102.6,67.55 r90 top
R32 "ERJ3EKF1002V" RESC1609X55X30LL15T15 93.915,69.115 r225 bottom
R33 "0402 JUMPER 0 OHM" RESC1005X40X25NL05T05 107.35,67.55 r90 top
R34 "0402 JUMPER 0 OHM" RESC1005X40X25NL05T05 106.4,67.55 r90 top
R35 "0402 JUMPER 0 OHM" RESC1005X40X25NL05T05 105.45,67.55 r90 top
R36 "0402 JUMPER 0 OHM" RESC1005X40X25NL05T05 104.5,67.55 r90 top
R37 "ERJ3EKF1002V" RESC1609X55X30LL15T15 100.475,70.95 r0 bottom
R38 "0402 JUMPER 0 OHM" RESC1005X40X25NL05T05 99.825,67.55 r270 top
R39 "ERJ3EKF1002V" RESC1609X55X30LL15T15 106.715,72.985 r315 bottom
R40 "ERJ-3EKF1202V" RESC1609X55X30ML15T15 110.1,76.75 r0 top
R41 "ERJ-3EKF1001V" RESC1608X55X30LL15T15 120.918,103.5 r90 top
R42 "0402 JUMPER 0 OHM" RESC1005X40X25NL05T05 96.054,71.437 r225 top
R43 "ERJ3EKF1002V" RESC1609X55X30LL15T15 120.925,103.475 r90 bottom
R44 "0402 JUMPER 0 OHM" RESC1005X40X25NL05T05 95.386,72.119 r225 top
R45 "0402 JUMPER 0 OHM" RESC1005X40X25NL05T05 94.711,72.794 r225 top
R46 "0402 JUMPER 0 OHM" RESC1005X40X25NL05T05 93.643,73.859 r225 top
R47 "ERJ-3EKF2003V" FP-ERJ3EK-IPC_B 98.04,64.99 r45 bottom
R48 "ERJ3EKF1002V" RESC1609X55X30LL15T15 94.79,68.24 r225 bottom
R49 "ERJ-3EKF2003V" FP-ERJ3EK-IPC_B 96.79,66.24 r225 bottom
R50 "ERJ-3EKF1001V" RESC1608X55X30LL15T15 81.275,103.5 r90 top
R51 "ERJ3EKF1002V" RESC1609X55X30LL15T15 95.665,67.365 r225 bottom
R52 "ERJ3EKF1002V" RESC1609X55X30LL15T15 84.4,104.65 r270 bottom
R57 "0402 JUMPER 0 OHM" RESC1005X40X25NL05T05 50.5,97.5 r0 top
R58 "0402 JUMPER 0 OHM" RESC1005X40X25NL05T05 78.5,97.5 r180 top
R59 "0402 JUMPER 0 OHM" RESC1005X40X25NL05T05 71.5,86.5 r90 top
R60 "0603 JUMPER" RESC1609X55X30ML15T15 67.5,86.5 r90 top
R61 "0603 JUMPER" RESC1609X55X30ML15T15 50.5,95.5 r0 top
R62 "0603 JUMPER" RESC1609X55X30ML15T15 78.5,95.5 r180 top
R63 "ERJ-3EKF1200V" RESC1609X55X30ML15T15 75.6,102.683 r270 top
R64 "ERJ-3EKF1200V" RESC1609X55X30ML15T15 53.4,102.683 r270 top
R65 "ERJ-3EKF1003V" RESC1608X55X30ML15T15 543.895,284.475 r0 top
R66 "ERJ3EKF1002V" RESC1609X55X30LL15T15 510.27,292.15 r90 top
R67 "0402 JUMPER 0 OHM" RESC1005X40X25NL05T05 363.745,292.375 r90 top
R68 "0402 JUMPER 0 OHM" RESC1005X40X25NL05T05 360.22,293.25 r90 top
R69 "ERJ-3EKF1003V" RESC1608X55X30ML15T15 472.775,240.525 r0 top
R70 "0402 JUMPER 0 OHM" RESC1005X40X25NL05T05 354.145,293.15 r90 top
R71 "0402 JUMPER 0 OHM" RESC1005X40X25NL05T05 460.775,240.525 r90 top
R72 "ERJ3EKF1002V" RESC1609X55X30LL15T15 442.775,239.525 r90 top
R73 "ERJ-3EKF1003V" RESC1608X55X30ML15T15 449.775,240.525 r0 top
R74 "0402 JUMPER 0 OHM" RESC1005X40X25NL05T05 346.545,293.475 r90 top
R75 "0402 JUMPER 0 OHM" RESC1005X40X25NL05T05 342.02,294.025 r90 top
R76 "0402 JUMPER 0 OHM" RESC1005X40X25NL05T05 335.595,293.925 r90 top
R77 "0402 JUMPER 0 OHM" RESC1005X40X25NL05T05 331.52,293.275 r90 top
R78 "0402 JUMPER 0 OHM" RESC1005X40X25NL05T05 326.32,294.25 r90 top
R79 "ERJ3EKF1002V" RESC1609X55X30LL15T15 355.775,239.525 r90 top
R80 "ERJ2RKF1801X" RESC1005X40X25LL05T05 361.775,240.525 r90 top
R81 "ERJ-2RKF4990X" FP-ERJ2RK-MFG 467.67,283.075 r90 top
R82 "0402 JUMPER 0 OHM" RESC1005X40X25NL05T05 327.775,240.525 r90 top
R83 "ERJ-2RKF4990X" FP-ERJ2RK-MFG 463.47,284.05 r90 top
R84 "ERJ-2RKF4990X" FP-ERJ2RK-MFG 459.42,285.65 r90 top
R85 "ERJ-2RKF4990X" FP-ERJ2RK-MFG 454.745,285.312 r90 top
R86 "ERJ-2RKF4990X" FP-ERJ2RK-MFG 450.22,286.45 r90 top
R87 "ERJ3EKF1002V" RESC1609X55X30LL15T15 265.775,239.525 r90 top
R88 "ERJ2RKF1801X" RESC1005X40X25LL05T05 270.775,240.525 r90 top
R89 "ERJ-2RKF4990X" FP-ERJ2RK-MFG 441.845,286.437 r90 top
R90 "0402 JUMPER 0 OHM" RESC1005X40X25NL05T05 237.775,240.525 r90 top
R91 "ERJ-2RKF4990X" FP-ERJ2RK-MFG 433.27,287.737 r90 top
R92 "ERJ-2RKF4990X" FP-ERJ2RK-MFG 425.845,287.562 r90 top
R93 "ERJ3EKF5103V" RESC1608X55X30LL15T15 208.775,239.525 r90 top
R94 "0402 JUMPER 0 OHM" RESC1005X40X25NL05T05 198.775,240.525 r90 top
R95 "ERJ3EKF1002V" RESC1609X55X30LL15T15 406.67,289.625 r90 top
R96 "ERJ-3EKF1003V" RESC1608X55X30ML15T15 177.775,240.525 r0 top
R97 "0402 JUMPER 0 OHM" RESC1005X40X25NL05T05 95.65,64.15 r0 top
R98 "0402 JUMPER 0 OHM" RESC1005X40X25NL05T05 95.65,63.15 r0 top
R99 "0402 JUMPER 0 OHM" RESC1005X40X25NL05T05 95.65,59.15 r0 top
R100 "0402 JUMPER 0 OHM" RESC1005X40X25NL05T05 95.65,58.15 r0 top
R101 "0402 JUMPER 0 OHM" RESC1005X40X25NL05T05 95.65,54.125 r0 top
R102 "ERJ-3EKF33R0V" FP-ERJ3EK-MFG 74.475,44.125 r180 top
R103 "0402 JUMPER 0 OHM" RESC1005X40X25NL05T05 95.65,53.125 r0 top
R104 "0402 JUMPER 0 OHM" RESC1005X40X25NL05T05 95.65,49.125 r0 top
R105 "0402 JUMPER 0 OHM" RESC1005X40X25NL05T05 95.65,48.1 r0 top
R106 "0402 JUMPER 0 OHM" RESC1005X40X25NL05T05 74.8,58.625 r180 top
R107 "ERJ-3EKF1200V" RESC1609X55X30ML15T15 72.5,58.625 r180 bottom
R108 "0402 JUMPER 0 OHM" RESC1005X40X25NL05T05 68.512,43.762 r0 top
R109 "0402 JUMPER 0 OHM" RESC1005X40X25NL05T05 68.512,42.737 r0 top
R110 "ERJ3EKF1002V" RESC1609X55X30LL15T15 67.8,144 r270 top
R111 "0402 JUMPER 0 OHM" RESC1005X40X25NL05T05 57.5,86.5 r90 top
R112 "0402 JUMPER 0 OHM" RESC1005X40X25NL05T05 74.8,48.1 r180 top
R113 "0402 JUMPER 0 OHM" RESC1005X40X25NL05T05 74.8,47.075 r180 top
R114 "0402 JUMPER 0 OHM" RESC1005X40X25NL05T05 74.8,49.125 r180 top
TP1 "TPAD6R" TP06R 98.875,67.975 r90 top
TP2 "TPAD6R" TP06R 96.925,69.925 r90 top
TP3 "TPAD6R" TP06R 98.225,68.625 r90 top
TP4 "TPAD6R" TP06R 97.575,69.275 r90 top
TP5 "TPAD6R" TP06R 75.725,52.075 r270 top
TP6 "TPAD6R" TP06R 75.725,51.1 r270 top
TP7 "TPAD6R" TP06R 75.725,50.125 r270 top
TP8 "TPAD6R" TP06R 128.142,142.875 r90 top
TP9 "TPAD6R" TP06R 122.142,142.875 r90 top
U1_CAMIF_1 "MAX96724RGTN/V+" QFN50P800X800X80_HS-57N 800,480 r225 top (schematic designator U1)
U1_CAMIF_2 "MAX96724RGTN/V+" QFN50P800X800X80_HS-57N 43.258,72.275 r270 top (schematic designator U1)
U2_CAMIF_1 "LD1117S18TR" SOT-223_M 827,523.724 r270 bottom (schematic designator U2)
U2_CAMIF_2 "LD1117S18TR" SOT-223_M 50.067,86.075 r270 bottom (schematic designator U2)
U3_CAMIF_1 "LD1117S12TR" SOT-223_M 826.825,540.55 r270 bottom (schematic designator U3)
U3_CAMIF_2 "LD1117S12TR" SOT-223_M 50.075,69.125 r270 bottom (schematic designator U3)
U4 "USB5744/2G" FP-USB5744-2G-MFG 101.1,76.75 r225 top
U5 "AP2171WG-7" SOT95P285X130-5N 118.15,104.125 r0 bottom
U6 "AP2171WG-7" SOT95P285X130-5N 87.175,105.3 r180 bottom
U7 "AP7363-12E-13" SOT-223_M 119,81.55 r90 top
U8 "AP2171WG-7" SOT95P285X130-5N 544.245,289.625 r0 top